# Altium PCB MB1137.PcbDoc (part 2 of 4)
Units mil, origin at the board's own origin, x right, y up, seen from the top; angles counter-clockwise.
Board outline 2760.94 x 5254.68 mil, 6 copper layers (Top Layer, GND, Signal, PWR, GND (Mid2), Bottom Layer), stack 74.545 mil thick; 293 components, 281 nets, 1134 pads, 921 vias.
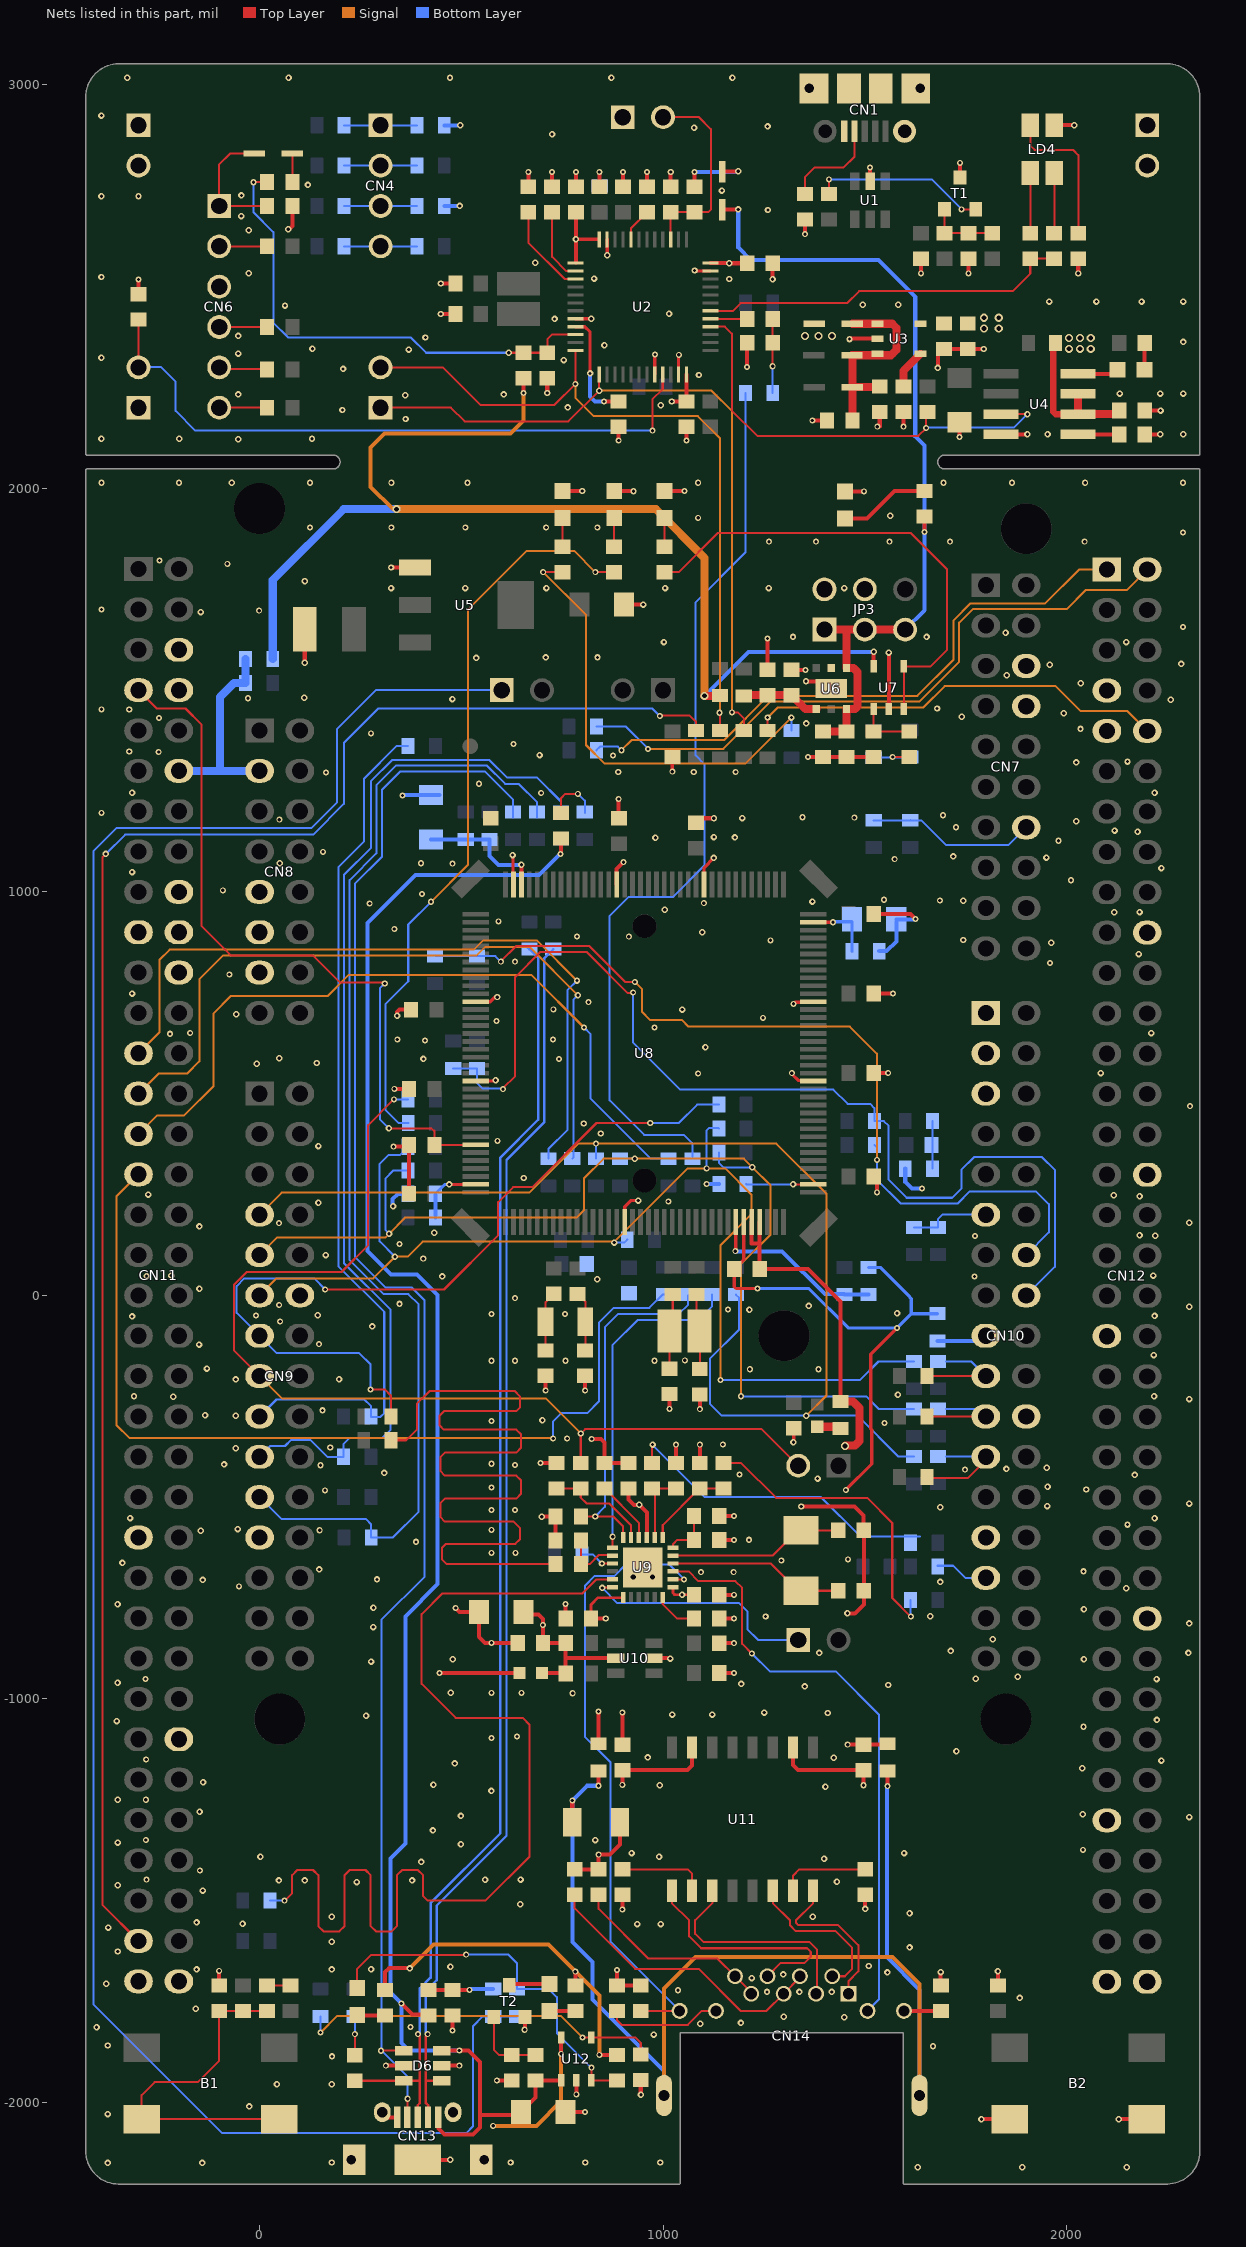
[diagram p6: the nets of this part, all layers, seen from the top]

## Via types
v1: diameter 16, hole 8, Top Layer to Bottom Layer, tented both sides, 464 vias
v2: diameter 15, hole 8, Top Layer to Bottom Layer, tented both sides, 415 vias
v3: diameter 20, hole 12, Top Layer to Bottom Layer, tented both sides, 39 vias
v4: diameter 25.98, hole 12.99, Top Layer to Bottom Layer, tented both sides, 2 vias
v5: diameter 15, hole 8, Top Layer to Bottom Layer, 1 vias

## Nets (pads, with @x,y where several pads share a name; then routed paths per layer and width w, separated by ;. In a path a pad name is that pad's centre, name@x,y a point inside that pad or via, vN(x,y) a via of type N, cw(c..) or ccw(c..) an arc to the next point about the centre after c; other vN are vias at no path point) (continued)
+3V3_PER: C40.2 L2.2 R25.1 R39.1 R43.1 R44.1 R46.2 R47.1 R61.2 R64.2 R71.1 SB2.2 SB113.1 U7.5 U9.9 | length 4437.5
  Top Layer w10: R61.2@311,-1721.5 311,-1677 321.4,-1666.6 370.6,-1666.6 v1(372,-1668) ; v2@445,-937 v2(446,-936) L2.2@644.5,-936 L2.2@639.5,-941 ; v2(654,2236.7) R25.1@654,2273.2 ; v2(696,-415.5) R39.1@736,-415.5 ; v1@697.01,-548 R46.2@733.5,-548 R47.1@733.5,-607 ; v2(782.5,-1676) 783.01,-1676.51 R64.2@783.01,-1710.5 ; v2(842,-1882) 842.5,-1882.5 R71.1@886,-1882.5 ; C40.2@914,-469.5 C40.2@914,-478.5 914,-505.5 927.5,-519 v1(941,-519) 959.84,-537.84 U9.9@959.84,-599.51 ; R43.1@1032,-415.5 v2(1032,-370) ; R44.1@1091,-415.5 v2(1091,-370) ; SB2.2@1139.75,1487.5 SB2.2@1141,1486.25 ; U7.5@1522.09,1559.15 v1(1522.09,1595)
  Top Layer w20: v3(1103,1486) 1140.75,1486 SB2.2@1141,1486.25
  Signal w10: v3(339,1948.5) 330.5,1948.5 275,2004 275,2100.94 310.06,2136 621.5,2136 654,2168.5 v2@654,2235 ; v1(372,-1668) 431,-1609 715.5,-1609 v2(782.5,-1676) 842,-1735.5 v2(842,-1882)
  Signal w20: v3(339,1948.5) 982.26,1948.5 1103,1827.76 v3(1103,1486)
  Bottom Layer w10: v3(1103,1486) 1212,1595 v1(1522.09,1595)
  Bottom Layer w20: SB113.1@32.75,1577 32.75,1772.75 208.5,1948.5 v3(339,1948.5)
  other v1: 699.5,-548.5
+3V3_ST_LINK: C1.2 C3.2 C8.2 C9.1 C12.2 C13.2 JP1.1 R5.2 R14.2 R18.1 SB102.2 T1.3 U2.1 U2.9 U2.24 U2.36 U2.48 U3.5 | length 878.3
  Top Layer w8: U2.9@782.68,2400.79 806.41,2400.79 819,2388.2 v1(819,2285) ; v1(784,2617.27) 784.06,2617.32 U2.48@841.73,2617.32
  Top Layer w10: R18.1@-300,2481.5 v2(-300,2518) ; U2.1@784,2559.53 v1(784,2617.27) C1.2@784,2684.45 ; R5.2@842,2747.5 v2(842,2784) ; v2(853.5,2215.5) C12.2@890,2215.5 ; v2(1021.5,2215.5) C13.2@1058,2215.5 ; C13.2@1058.27,2215.71 U2.24@1058.27,2282.68 ; U2.36@1117.32,2558.27 1208.24,2558.27 C3.2@1208.5,2558 v1@1170.27,2558 ; T1.3@1736,2770.37 v2(1736,2806.87) ; v2(2029,2533) R14.2@2029,2569.5
  Bottom Layer w10: SB102.2@457.75,2900 v1(497.25,2899.94) ; v1(819,2285) 818.73,2284.73 818.73,2227.76 831,2215.5 v2@852.21,2215.5
  other v1: 1015,2432.9 1495,2455 1583,2455 -27,2532.94 1164,2558 -27,2639.94
  other v3: 1795,2396 1832,2396 1795,2423 1832,2423
+5V: C22.2 C23.1 CN8.9 CN11.18 D2.1 JP3.1 JP3.3 JP3.5 R29.2 U6.1 U6.6 U12.5 | length 2424
  Top Layer w10: v2(747.6,-1879.54) U12.5@747.6,-1838.85 ; D2.1@1147,2690.76 v1@1185.61,2690.76 ; v2(1648,1892) R29.2@1648,1930.5
  Top Layer w20: C22.2@1396,1397.5 C23.1@1455,1397.5 U6.6@1455,1452.22 ; JP3.1@1400,1650 1454,1650 ; U6.6@1454.4,1452.82 1475.82,1452.82 1482,1459 1482,1545 1471.82,1555.18 U6.1@1454.4,1555.18 1454.4,1649.6 1454,1650 ; JP3.5@1600,1650 JP3.3@1500,1650 1454,1650
  Signal w10: v2@579,-2059 580,-2058 685.81,-2058 747.6,-1996.21 v2(747.6,-1879.54)
  Bottom Layer w10: v1(1186.37,2691.51) 1186.37,2596.63 1217,2566 1533.87,2566 1625,2474.87 1625,2129 1648,2106 v2(1648,1892) 1648,1698 JP3.5@1600,1650
  other v2: 579,-2058
AGND: C34.2 CN10.3 CN12.32 SB162.2 SB166.1 U8.31 | length 1362.7
  Top Layer w8: U8.31@1200.06,181.69 1200.06,88.56 C34.2@1176.5,65 1176.5,21.14 1180.53,17.11 1234.14,17.11 v2(1234.25,17) ; v2(1453,-482) 1517.21,-417.79 1517.21,-332.72 1514.7,-330.21 1514.7,-145.9 v2(1580,-80.6)
  Bottom Layer w8: v2(1234.25,17) 1361.59,17 1459.19,-80.6 v2(1580,-80.6) 1615.35,-45.25 ; SB166.1@1509,69.45 1538.55,69.45 1607.2,0.8 1607.2,0.28 1615.35,-7.87 1615.35,-45.25 ; SB162.2@1680,-45.25 1615.35,-45.25
AIN_1: R1.2 R24.2 R25.2 U2.10 | length 1219.8
  Top Layer w5: v1(-15,2759) R1.2@18.5,2759 ; v1(617.6,2336.2) R25.2@654,2336.2 R24.2@713,2336.2 713,2369.89 724.21,2381.1 U2.10@782.68,2381.1
  Bottom Layer w5: v1(-15,2759) -15,2684 34,2635 34,2411 71,2374 375,2374 412.8,2336.2 v1(617.6,2336.2)
AVDD: C34.1 CN7.6 CN10.1 CN12.7 SB12.2 U8.32 U8.33 | length 850.9
  Top Layer w10: U8.32@1219.75,181.69 1219.75,128.39 1239.43,128.39 ; U8.33@1239.43,181.69 1239.43,128.39 ; C34.1@1239.5,62 1239.43,62.07 1239.43,128.39 ; C34.1@1239.5,65 1359.74,65 1440,-15.26 SB12.2@1440,-262.8
  Top Layer w20: SB12.2@1440,-262.8 1470.8,-262.8 1487,-279 1487,-361.1 1476.1,-372 1452,-372 v3(1450.86,-373.14)
BOOT0: CN11.7 R36.1 U8.138 | length 1829.9
  Top Layer w5: CN11.7@-300,1500 -254.5,1454.5 -183.5,1454.5 -144,1415 -144,916.22 -69.81,842.03 132.97,842.03 200,775 310,775 v1(310,773) ; v1(320.57,414) 426,414 433.5,406.5 R36.1@433.5,373 ; R36.1@434,372.5 U8.138@534.57,372.5
  Bottom Layer w5: v1@310,775 v1(310,773) 298,761 298,436.57 v1(320.57,414)
E5V: CN11.6 D3.1 JP3.2
  other v3: 1352,2378 1385.5,2378 1419,2378
EGND: C51.1 CN14.13 CN14.14 SB16.1 SB17.1 | length 3067.5
  Top Layer w10: C51.1@774.94,-1306 774.94,-1252.06 v2(775,-1252) ; v2(840,-1215.25) SB16.1@840,-1178.75 ; v2(1556,-1216.25) SB17.1@1556,-1178.75
  Signal w10: CN14.14@1002.46,-1982.64 1002.46,-1717.54 1079.9,-1640.1 1569.1,-1640.1 1635.54,-1706.54 CN14.13@1635.54,-1982.64
  Bottom Layer w10: v2(840,-1215.25) 811.75,-1215.25 v2(775,-1252) 775,-1602 825,-1652 825,-1745.11 1002.46,-1922.57 CN14.14@1002.46,-1982.64 ; v2(1556,-1216.25) 1554.6,-1217.65 1554.6,-1640.06 1635.54,-1721 CN14.13@1635.54,-1982.64
GND: B2.1 B2.4 C1.1 C2.1 C3.1 C4.1 C5.2 C6.2 C7.2 C8.1 C9.2 C10.1 C11.1 C12.1 C13.1 C14.1 C15.1 C16.2 C17.2 C18.2 C19.1 C20.2 C21.2 C22.1 C23.2 C24.2 C25.2 C26.2 C27.2 C28.2 C29.2 C30.2 C31.2 C32.2 C33.2 C35.2 C36.2 C37.2 C38.2 C39.2 C40.1 C41.2 C42.1 C43.2 C44.1 C45.2 C46.2 C47.1 C48.1 C49.1 C50.1 C53.1 C54.2 C55.2 C56.2 C57.2 C58.2 CN1.5 CN1.6 CN1.7 CN1.8 CN1.9 CN1.10 CN2.1 CN2.2 CN3.1 CN3.2 CN6.3 CN7.8 CN8.11 CN8.13 CN9.12 CN9.23 CN10.5 CN10.17 CN10.22 CN10.27 CN11.8 CN11.19 CN11.20 CN11.22 CN11.49 CN11.60 CN11.71 CN11.72 CN12.9 CN12.20 CN12.39 CN12.54 CN12.63 CN12.71 CN12.72 CN13.5 CN13.6 CN13.7 CN13.8 CN13.9 CN13.10 D6.2 D6.5 JP2.1 LD1.2 LD2.2 LD3.2 LD4.1 LD6.2 R2.2 R3.1 R4.1 R6.1 R7.2 R11.2 R16.1 R24.1 R28.1 R33.2 R36.2 R41.2 R49.2 R58.2 R63.2 R65.2 R66.2 R67.2 R69.1 R72.1 SB16.2 SB17.2 SB106.2 SB107.1 SB129.2 SB152.2 SB153.2 SB155.2 SB162.1 T2.2 U1.2 U2.8 U2.20 U2.23 U2.35 U2.47 U3.2 U4.4 U5.1 U6.0 U6.2 U7.2 U8.16 U8.51 U8.61 U8.83 U8.94 U8.107 U8.120 U8.130 U9.25 U10.2 U12.2 | length 6241.3
  Top Layer w8: U8.130@535.69,531.1 v1@584.73,531.1 ; U8.120@535.69,727.95 572.04,727.95 583.08,739 v2(589,739) ; v1(627,1091.28) 627.98,1090.3 627.98,1019.52 U8.107@629.2,1018.31 ; U2.8@782.68,2420.47 v1(822.18,2420.41) v1(822.18,2420.41) ; v1(861.42,2577.76) U2.47@861.42,2617.32 ; U8.16@904.79,181.69 904.79,219.79 920,235 v1(938.42,235) ; U2.20@979.53,2282.68 v2@979.53,2331.53 ; v2(1023,1298) C21.2@1023,1334.5 C21.2@1030,1327.51 ; U2.23@1038.58,2282.68 v2@1038.58,2330.58 ; v1(1078,2540) 1079.42,2538.58 U2.35@1117.32,2538.58 ; U8.83@1101.64,1018.31 1101.64,1060.14 v1(1125.75,1084.25) ; v2(1319,550.79) 1319,548.74 1334.86,532.88 1370.53,532.88 U8.51@1372.31,531.1 ; v1(1323,-364) 1324,-363 C39.2@1324,-328.9 ; v2(1323.54,722.64) 1327.41,726.5 U8.61@1370.85,726.5
  Top Layer w10: R58.2@-100,-1710.5 v2(-100,-1674) ; v1@73,2642 81.5,2650.5 R2.2@81.5,2700 ; v1(111.98,1567.98) C17.2@111.98,1651 ; CN13.6@304.4,-2024.2 317.2,-2037 CN13.5@340.82,-2037 ; v2@314,-1909 D6.2@356.76,-1909 ; v1@324,1804 v1(326,1804) U5.1@385,1804 ; v2(331.75,368.5) R36.2@368.25,368.5 ; v2(334,512) C30.2@370.5,512 ; v1(340.82,693) 340.82,701.82 347,708 C28.2@375.5,708 ; C33.2@370.5,252 R36.2@370.5,373 ; CN13.8@392,-2142.31 v1(472.32,-2142.31) ; v2(449,2432) C6.2@485.5,2432 ; v2(449,2508) C5.2@485.5,2508 ; D6.5@451.24,-1909 v2@494,-1909 ; v2(478,-1822) R63.2@478,-1784.5 ; v2(486,-775) 496,-785 C46.2@544,-785 544,-846 559,-861 v2(575,-861) C48.1@639.5,-861 ; v2(588,-1945.55) 588.05,-1945.5 R69.1@625,-1945.5 ; v2(657,-1820) 657.59,-1819.41 T2.2@657.59,-1788.37 ; R3.1@666,2747.5 v2(666,2784) ; v2(709,-236) C35.2@709,-199.5 ; v2(713,2236.7) R24.1@713,2273.2 ; R4.1@725,2747.5 v2(725,2784) ; LD3.2@752.75,1993.46 v2(799.75,1993.43) ; C54.2@758,-2024 v2(806.36,-2024) ; C47.1@758.5,-801 v2(758.5,-764.5) ; C1.1@784,2747.5 v2(784,2784) ; v2(785,-1980) U12.2@785,-1945.15 ; v2(807,-236) C36.2@807,-199.5 ; v2(823,-356) 846,-356 855,-365 R41.2@855,-415.5 C40.1@914,-415.5 ; SB16.2@840,-1111.25 v2(840,-1031.25) ; LD2.2@879.76,1993 v2@926.73,1993 ; U8.94@885.1,1018.31 885.1,1056.69 v2(902,1073.58) ; v2(886,-1672) R65.2@886,-1710.5 R66.2@944.68,-1710.5 ; C25.2@890,1185 v2(890,1230) ; v2(890,2119) C12.1@890,2152.5 ; C49.1@899,-1113.5 v2(899,-1033.5) ; C2.1@901,2747.5 v2(901,2784) ; C18.2@903,1712 v1(951,1712) ; R72.1@944.68,-1944.5 944.68,-1980.68 v1(945,-1981) ; R6.1@960,2747.5 v2(960,2784) ; U10.2@977.56,-899 1018.06,-899 1018,-899.06 v1(1018,-900) ; LD1.2@1006,1993.47 v2@1052.97,1993.47 ; v2(1016,-281) C37.2@1016,-244.5 ; R7.2@1019,2747.5 v2(1019,2784) ; v2(1058,2119) C13.1@1058,2152.5 ; C26.2@1082,1182.5 v2(1125.75,1182.5) ; v2(1091,-282) C38.2@1091,-245.5 ; R49.2@1139.5,-801 v2(1176,-801) ; C44.1@1139.5,-742 v2(1176,-742) ; C42.1@1139.5,-606 v2(1176,-606) ; C41.2@1139.5,-547 v2(1176,-547) ; v2(1208,2301) 1208.5,2301.5 C7.2@1208.5,2361 ; C19.1@1259,1550.5 v2(1259,1628.07) ; v1(1271.5,2518.5) C3.1@1271.5,2558 ; C20.2@1318,1550.5 v2@1354.5,1550.5 ; v1(1342.7,-523.21) 1474.51,-523.21 1497,-545.7 1497,-581.5 C43.2@1497.5,-582 ; v2(1352,2630) R11.2@1352,2666.5 ; v2(1354.5,1522) U6.0@1391,1522 ; v2(1359.5,1334.5) C22.1@1396,1334.5 R33.2@1522,1334.5 ; v2(1370,2168) C10.1@1406.5,2168 ; LD6.2@1451.04,1992.79 v2(1498.04,1992.77) ; v2(1457.5,-1113.5) C50.1@1497,-1113.5 SB17.2@1553.75,-1113.5 ; v1@1459.55,-788 1475.1,-788 1497.5,-765.6 C45.2@1497.5,-732 C43.2@1497.5,-582 ; v1@1462,2371 U3.2@1531.85,2371 ; C43.2@1497,-582.5 C43.2@1497.5,-582 ; U1.2@1513,2761.24 v2(1513,2795) ; C31.2@1522.5,551 v2(1558,551) ; C29.2@1522.5,748 v2(1570,748) ; C27.2@1522.5,945 1613.75,945 v2(1625.75,933) ; C32.2@1523.5,296 C32.2@1522.5,295 1530,287.5 v2(1530,255.51) ; v2(1531,2153) 1537,2153 C14.1@1537,2189.5 ; U7.2@1559.5,1452.85 v1(1559.5,1593) ; v2(1596,2153) C15.1@1596,2189.5 ; v2(1639,2533) C4.1@1639,2569.5 ; v1(1681,2298.5) C8.1@1681,2338 ; R67.2@1688,-1710.5 v1(1688,-1677) ; C8.1@1696,2345.5 C9.2@1755,2345.5 v1(1794.5,2345.5) ; v2(1735,2127.5) C16.2@1735,2164 ; v2(1756.7,2533) R16.1@1756.7,2569.5 ; v1(1788.87,-2041.58) B2.1@1858.72,-2041.58 ; C53.1@1830,-1710.5 v1(1830,-1675) ; U4.4@1837.53,2134 v1(1903,2134) ; LD4.1@1969.53,2900.06 v1(2018.94,2900.06) ; v1(2129.42,-2041.58) B2.4@2199.28,-2041.58 ; R28.1@2193.5,2134 v1(2232,2134) ; C11.1@2193.5,2193 v1(2233,2193)
  Bottom Layer w10: v1(331,221) 330,221 330,239.36 342.46,251.83 SB153.2@368.19,251.83 ; v2(354,1239) 355,1240 C55.2@425,1240 C55.2@446,1240 ; SB106.2@457.75,2700 v1(496,2700) ; v2(1108,276.3) 1108.3,276 SB155.2@1138.25,276 ; SB129.2@1535.75,853 1554.3,853 1578.5,877.2 C56.2@1578.5,926 ; C56.2@1578,932 1624.75,932 v2(1625.75,933) ; SB152.2@1600.25,314 1600.25,280.75 1616.46,264.54 1641.54,264.54 v2(1642,265) ; SB162.1@1680,-112.75 1787.25,-112.75 CN10.17@1800,-100
  other v1: 1631.03,-2161 1890,-2161 2148.97,-2161 -376.5,-2150 -142.25,-2150 179,-2149 622,-2149 807.21,-2149 993,-2149 -376.5,-2029 -25.75,-2010.04 43,-1955.06 179,-1955.06 179.47,-1886 1669,-1861 -376.5,-1859 977,-1832 -404,-1814 1092,-1805 1193,-1803 1448.82,-1789 1299.1,-1788 -157.97,-1768 1884,-1741 1257.62,-1726.17 1337.94,-1726.17 1418.25,-1726.17 1037,-1722 -380,-1706 1219.75,-1691.86 1297.78,-1682.87 1556,-1678 -156,-1670.5 179,-1670.5 276.5,-1670 473,-1664 1510,-1662 -351.37,-1626 1610.94,-1615.79 179,-1602 -375,-1566.79 936,-1558 994,-1558 -42,-1557 -156,-1554 179,-1540 1371,-1540 1611,-1531 646,-1509 -141,-1475 -351.37,-1462 241,-1454 1431,-1453 48,-1450 112,-1450 378,-1450 559,-1448 647,-1447.71 400.5,-1404 1399,-1396 2,-1391 990,-1391 922,-1382 1597.26,-1382 499,-1360 -351.37,-1356 832,-1350 429.52,-1326 2304,-1292.86 499,-1290 2040,-1286 -148.74,-1279.7 -351.37,-1250 574.5,-1228 1402.35,-1218 991.76,-1214 430.77,-1212.62 -140,-1206.5 2039,-1172 484,-1160 2235,-1153 1423,-1146 962,-1145 1727,-1130 2042,-1069 -354,-1055 2224,-1052 264,-1042 1022.9,-1039 1122,-1039 1408,-1035 1251,-1034 474,-984.5 1351,-969 1558,-965.53 1194,-963 -352,-960 2223,-951 1775,-950.06 1879,-945 276.5,-907.39 479,-902 2043,-902 1387,-886 2302,-886 1713,-881 1817,-852 282,-822 2304,-813 1254,-795.84 1662,-795.34 1457,-788 2043,-778 282.11,-774 -352,-765.17 2147.65,-726 1687,-710 -141,-705 291,-703.84 2042.03,-684 148.13,-679 -340,-663 387.74,-611 1213,-606 -146,-583 -54,-579 2151,-568 -320.97,-552 2218.02,-552.5 1687,-525 1952,-522 2304,-515.94 2049,-481 1953,-474 1383,-454 2169,-445 309,-440 1851,-430 1951,-427 151,-421 -88,-419 -59,-379 175,-377 701,-309.5 -59,-298 -135,-297 156,-285 2304,-256.97 -214,-251 2217,-250 1582,-246 -59,-208.17 197,-208 -130.5,-181.5 2216,-148 -150,-122 279.5,-77 -316,-52 2218,-51 144,-49 1580,-44 1214,-35.76 2304,-28 1361,-26 346.79,-21 -149,16.3 837,40 453,47 -280,48 -219,49 2215,49.25 163.77,100 2220.03,148 2181,149 433,155.5 -149,171 2304,180 146,229.8 2181,246 2117,248 -276,250 655,291 146,370 585,533 2085,551 -7,574 142,576 406,586 48.5,588 1104.94,615 -222,648 2210,650 -58,697 1047.34,708.45 -316,748 2179,846 1097,900 2118,949.45 2181,950 1004,956.01 1370.05,976.02 1743.93,978 2011,1029 -316,1049.07 2235,1059 1950,1085 1719,1088 1980,1127 981,1134 1178,1135 1126,1136 2176,1149 2119,1152 1726,1160 2024,1175 1196,1183 -316,1246 2218,1246 2024,1321 2151,1323 693.93,1339.01 -323,1348 2034.5,1404 1355,1417.57 1740,1434 1993,1443 -323,1452 1679,1454.5 2258,1476 478,1478 -28.66,1480 111,1481 2035,1517.25 1852,1537 1958.25,1563 2284,1565 537,1580 709,1581 837.5,1581 1002,1619 2148,1619 1322,1632 1653,1632 1849,1642.49 -146,1693.35 326,1753 509.5,1753 710.81,1753 1005,1753 1262,1753 1449,1753 112.48,1770 1563.22,1932 -53,2122 -392,2123 -199,2123 1953,2134 2289,2134 362,2172 205.24,2194.26 763.56,2200.71 994.54,2206 361,2231 -53,2232.94 605,2232.94 2132,2235 2232,2235 2289,2235 1089,2281 207,2296 754,2318 -392,2323.94 -53,2334 370,2344 131,2346 854.71,2355 2289,2363 1462,2370 411,2374 -53,2377.94 731,2420 63,2453 1957.34,2463 2074,2463 2186,2463 2289,2463 1164,2519 829,2520 -392,2523.94 683,2559 71,2642 -45.56,2675 1260,2690 -392,2723.94 -300,2723.94 -45.07,2726 1146,2738 119.84,2752 725,2877.94 1077,2894 1259,2897 -392,2924 -328,3018 72,3018 472,3018 872,3018 1172,3018
  other v2: 313,-1909 495,-1909 374,-1813 -280,-1448 -148,-1425 2041,-1374 -282,-1350 -282,-1250 -281,-1150 574.5,-1097 638,-1093.17 776,-986 575,-985 649,-985 -283,-951 -51,-721 1094,-686 1175,-686 1293,-657 1458,-654 575,-638 634,-638 149,-582 575,-581 575,-532 633,-532 162,-483 575,-476.02 1189.2,-444 1748,-432 633,-420 575,-417.24 1148,-369.63 762.42,-354.5 1549,-316 575,-311 -311,-250 1215,-183 1385,-183 575,-162 633,-162 758,-162 979,-162 1054,-161 147,-121 51,-65 -9,-49.94 575,-46 757,-46 1161,-35 48.5,-24 633,-7 1772,47 405.67,91 347,127.43 1773,147 48,179 1013,232.5 590,383 845.5,401 803.45,426 2306,469 1087,549.94 742,585.69 410,632 341.32,634 727,634 -172,650 979,664 587,680 1248,688 728,709 815,726.64 -75,795 1959.06,824 633,827 1962,874 1266.25,880 1744,881 915.13,889 787,889.43 334,908 592,927 272.84,971 1101,972 1685.99,978.54 1547.5,980.5 402.69,995 -91,1004 478,1070 50,1071 400,1071 1574,1081 157,1099.36 49,1179 1473.99,1184 1345.31,1185 1693.59,1190 -391.5,1196 698,1245 544,1268 164.5,1296 889,1297 1076,1297 1180,1297 876,1338 -250,1347 629,1366.25 276,1393 -249,1431 -391.5,1452.5 1353,1550 2288.5,1656.82 -1,1697 -391.5,1700 111.98,1770.5 -80,1813 -248,1821 1262.5,1868 1379,1868 1561,1868 1711,1868 2045,1868 2288.5,1891 125,1903 326.5,1903 510,1903 710.31,1903 837,1903 1087,1927 926.76,1992.97 1053,1993.44 -391.5,2014 -199.5,2014 -69,2014 125,2014 326.5,2014 515.21,2014 1087,2014 1695,2014 1864.59,2014 2046.18,2014 2288.5,2014 130,2123 1039,2331 980,2332
  other v4: 926.38,-697.94 973.62,-697.94
IOREF: CN8.3 CN11.12 SB113.2 SB114.2 | length 520.2
  Bottom Layer w20: CN11.12@-200,1300 -97,1300 ; SB113.2@-34.75,1577 SB114.2@-34.75,1518 -63,1518 -98,1483 -98,1301 -97,1300 ; CN8.3@0,1300 -97,1300
LED_STLINK: R13.1 R17.1 U2.30 | length 927.5
  Top Layer w5: U2.30@1117.32,2440.16 1117.98,2439.5 1172.92,2439.5 1192.42,2459 1455.91,2459 1485.91,2489 1866.5,2489 1910,2532.5 R13.1@1910,2569.5 R17.1@1969,2569.5
MCO: SB112.2 SB149.1 | length 2262.1
  Bottom Layer w5: SB149.1@1072.7,338.75 1072.7,377.09 1051.79,398 953,398 867.73,483.27 867.73,940.73 914,987 1024.1,987 1102.45,1065.35 1102.45,1316.21 1080.49,1338.17 1080.49,1717.49 1204.25,1841.25 SB112.2@1204.25,2236
NetB1_1: B1.1 B1.4 C52.2 R58.1 R59.1 | length 869
  Top Layer w5: C52.2@18,-1773.5 R59.1@-41,-1773.5 R58.1@-100,-1773.5 -100,-1897 -153,-1950 -260,-1950 -292.28,-1982.28 B1.1@-292.28,-2041.58 B1.4@48.28,-2041.58
NetC7_1: C7.1 R20.2 SB112.1 | length 184.1
  Top Layer w5: R20.2@1271.5,2420 C7.1@1271.5,2361 1271.5,2302.99 v2(1271.75,2302.73)
  Bottom Layer w5: SB112.1@1271.75,2236 v2(1271.75,2302.73)
NetC10_2: C10.2 C14.2 D3.2 D4.2 D5.2 U3.1 U3.3 | length 510.4
  Top Layer w20: D4.2@1468.24,2330 1565,2330 1568.6,2333.6 1578,2343 1578,2398 1568,2408 D3.2@1469.24,2408 ; D4.2@1469.24,2329 D5.2@1469.24,2251 ; C10.2@1469.5,2168 1469.24,2168.25 D5.2@1469.24,2251 ; C14.2@1535.5,2251 D5.2@1469.24,2251
NetC11_2: C11.2 JP3.4 SB1.2 U4.6 U4.7 | length 388.2
  Top Layer w16: SB1.2@1972.75,2360 1967.17,2354.42 1967.17,2189.83 1973,2184 U4.6@2028.47,2184
  Top Layer w20: U4.7@2028.47,2234 U4.6@2028.47,2184 C11.2@2130.5,2184
  other v3: 2006,2346 2033,2346 2060,2346 2006,2373 2033,2373 2060,2373
NetC15_2: C15.2 U3.4 | length 98.6
  Top Layer w20: C15.2@1596,2252.5 1596,2291.45 U3.4@1638.15,2333.6
NetC19_2: C19.2 C20.1 SB3.1 U6.4 | length 194.9
  Top Layer w20: SB3.1@1200,1485.25 1202.25,1487.5 C19.2@1259,1487.5 C20.1@1318,1487.5 1352.69,1452.82 U6.4@1379.6,1452.82
NetC35_1: C35.1 R37.1 X2.2 | length 148.4
  Top Layer w5: C35.1@708.79,-136.29 X2.2@708.79,-65 708.79,-16.46 R37.1@729,3.75
NetC36_1: C36.1 R38.1 X2.1 | length 147.8
  Top Layer w5: R38.1@788,3.5 807.21,-15.71 X2.1@807.21,-65 C36.1@807.21,-136.29
NetC37_1: C37.1 SB8.1 X3.2 | length 186.8
  Top Layer w5: X3.2@1015.6,-88 1024,-79.6 SB8.1@1024,2.25 ; C37.1@1016,-181.5 X3.2@1016,-88.4
NetC38_1: C38.1 SB9.1 X3.1 | length 187.2
  Top Layer w5: SB9.1@1083,2.25 1083,-80.6 X3.1@1090.4,-88 ; C38.1@1091,-182.5 X3.1@1091,-88.6
NetC41_1: C41.1 C42.2 U9.6 | length 123.8
  Top Layer w5: U9.6@1024.8,-625.1 1024.8,-616.2 1035,-606 C42.2@1076.5,-606 C41.1@1076.5,-547
NetC43_1: C43.1 U9.5 X4.1 | length 426.7
  Top Layer w5: U9.5@1024.8,-644.79 1271.21,-644.79 1333.8,-582.2 X4.1@1342,-582.2 1425.31,-582.2 C43.1@1425.5,-582
NetC44_2: C44.2 C46.1 C47.2 C48.2 C49.2 C50.2 L2.1 R50.2 R51.2 R52.2 R53.2 U9.1 U9.19 U10.5 U11.2 U11.7 | length 1232.3
  Top Layer w7: C47.2@821.5,-801 821.5,-766.5 838.88,-749.12 U9.19@900.79,-749.12 ; U9.1@1024.8,-723.53 1024.8,-737.8 1029,-742 v1(1047,-742) C44.2@1076.5,-742
  Top Layer w10: C46.1@654,-791 691,-791 702.5,-802.5 C48.2@702.5,-861 R52.2@758.5,-861 758.5,-898 ; L2.1@699.5,-936 R53.2@757.5,-936 ; R53.2@758.5,-937 758.5,-898 ; C47.2@821.5,-801 v2(858,-801) ; U10.5@883.07,-899 759.5,-899 758.5,-898 ; v2(899,-1213) C49.2@899,-1176.5 ; C49.2@912,-1176.5 1060.98,-1176.5 1072,-1165.47 U11.7@1072,-1120.44 ; R51.2@1139.5,-936 v2(1176,-936) ; R50.2@1139.5,-862 v2(1176,-862) ; U11.2@1322,-1120.44 1322,-1164 1334.5,-1176.5 C50.2@1497,-1176.5 v2(1497,-1214)